# Altium PCB Excavator_PCB.PcbDoc
Units mm, origin at the board's own origin, x right, y up, seen from the top; angles counter-clockwise.
Board outline 71.5 x 81.5 mm, 2 copper layers (Top Layer, Bottom Layer); 29 components, 34 nets, 124 pads, 28 vias.
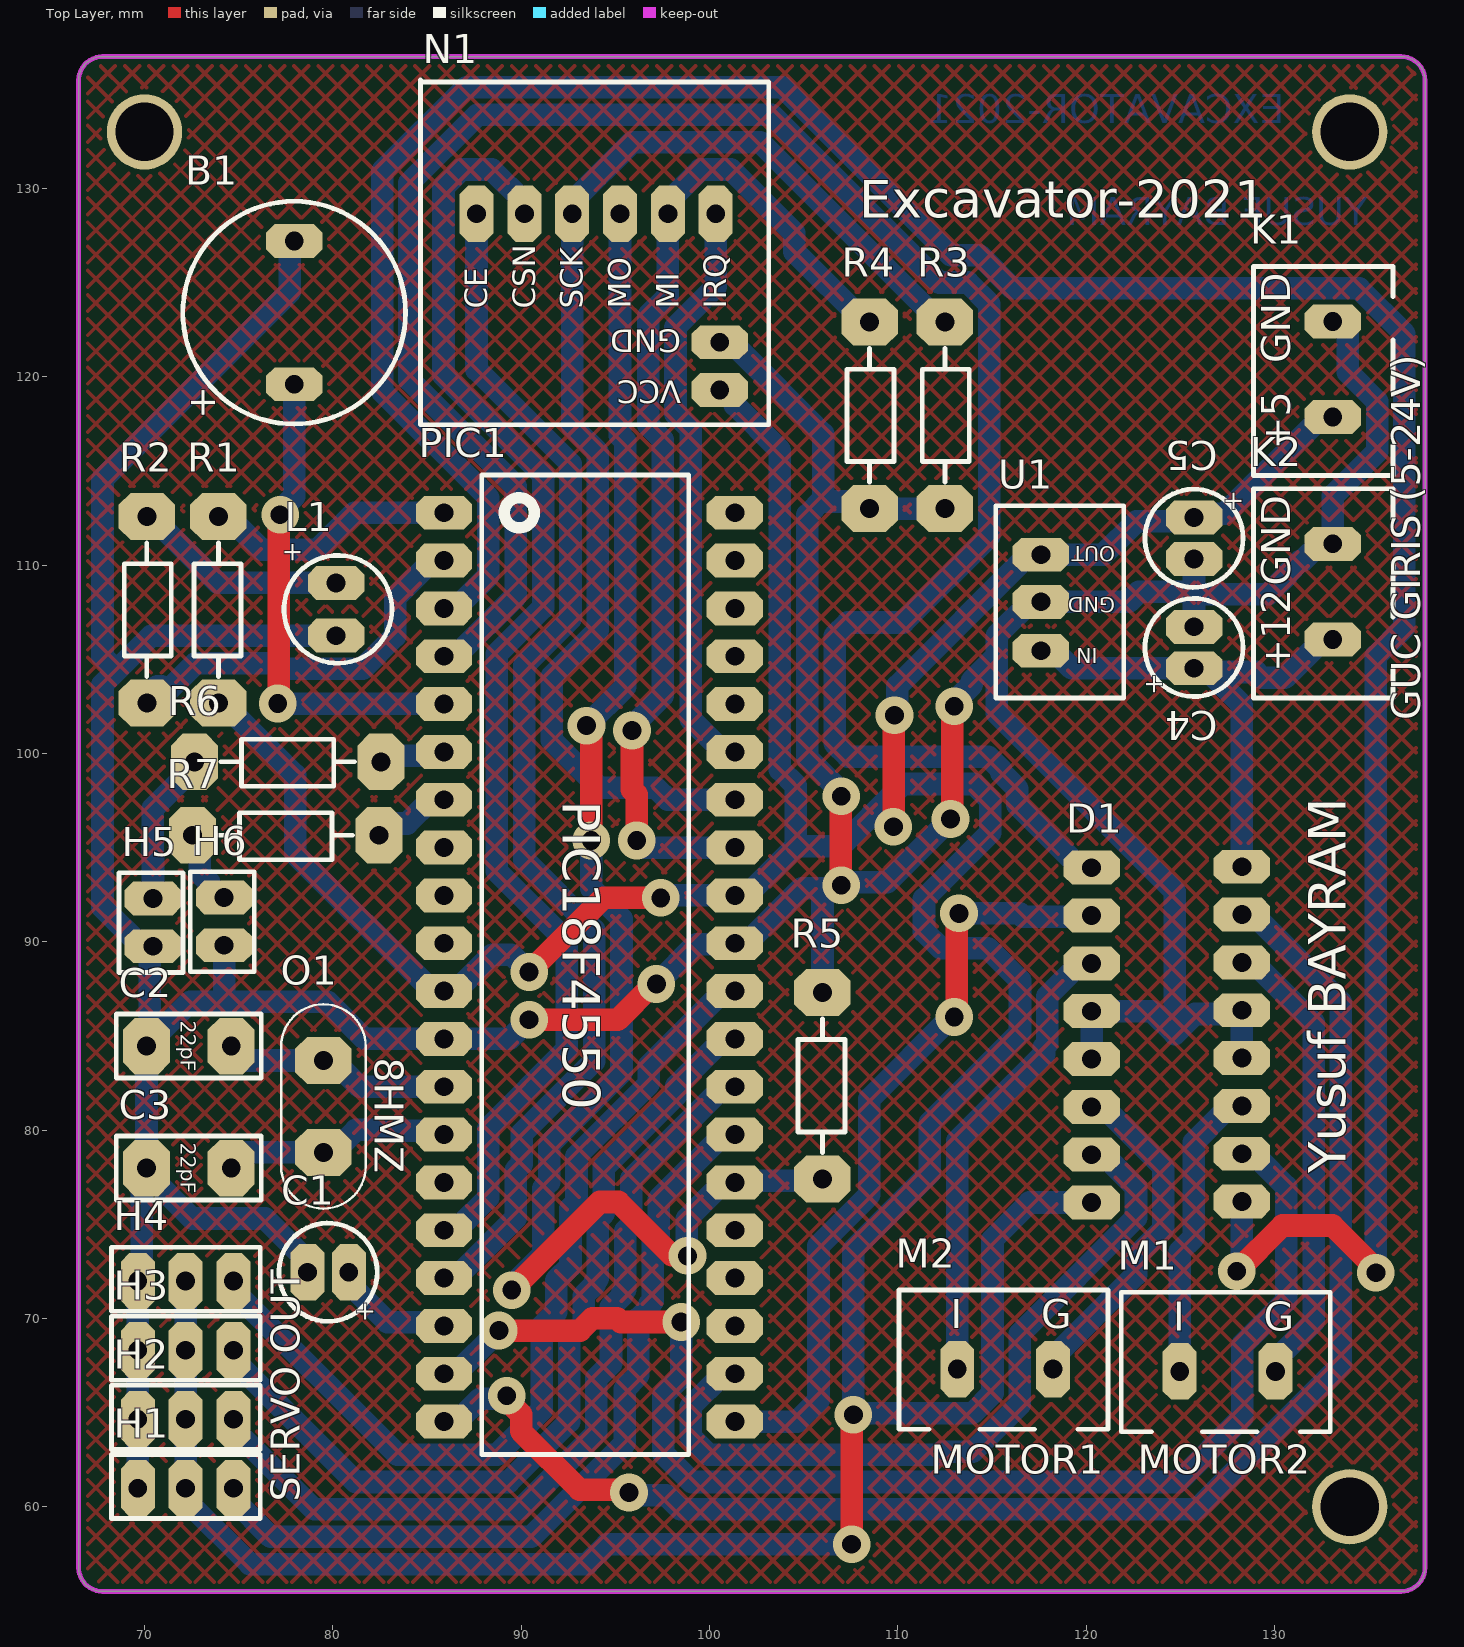
[diagram p0: Top Layer view]
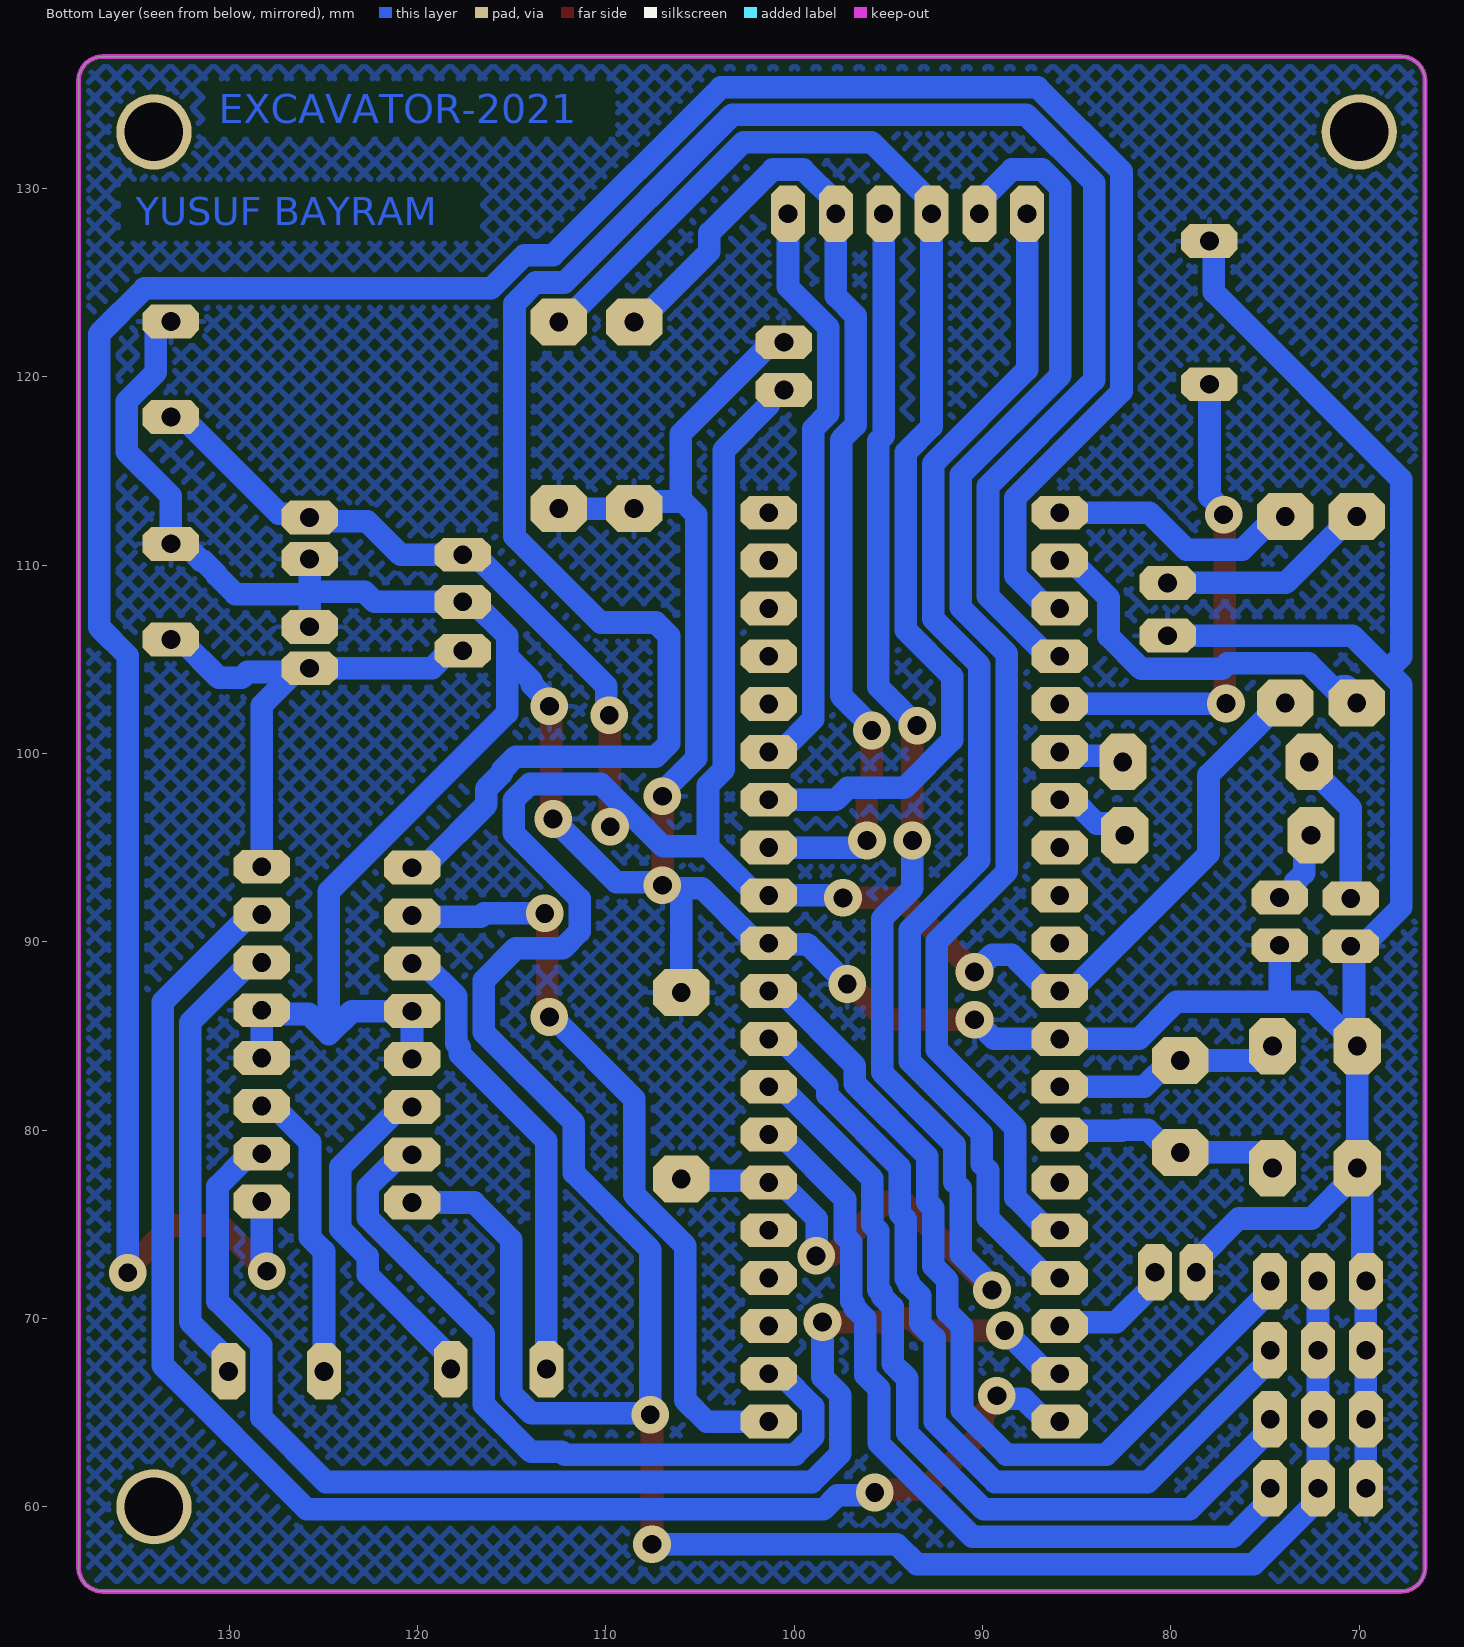
[diagram p1: Bottom Layer view, seen from below]
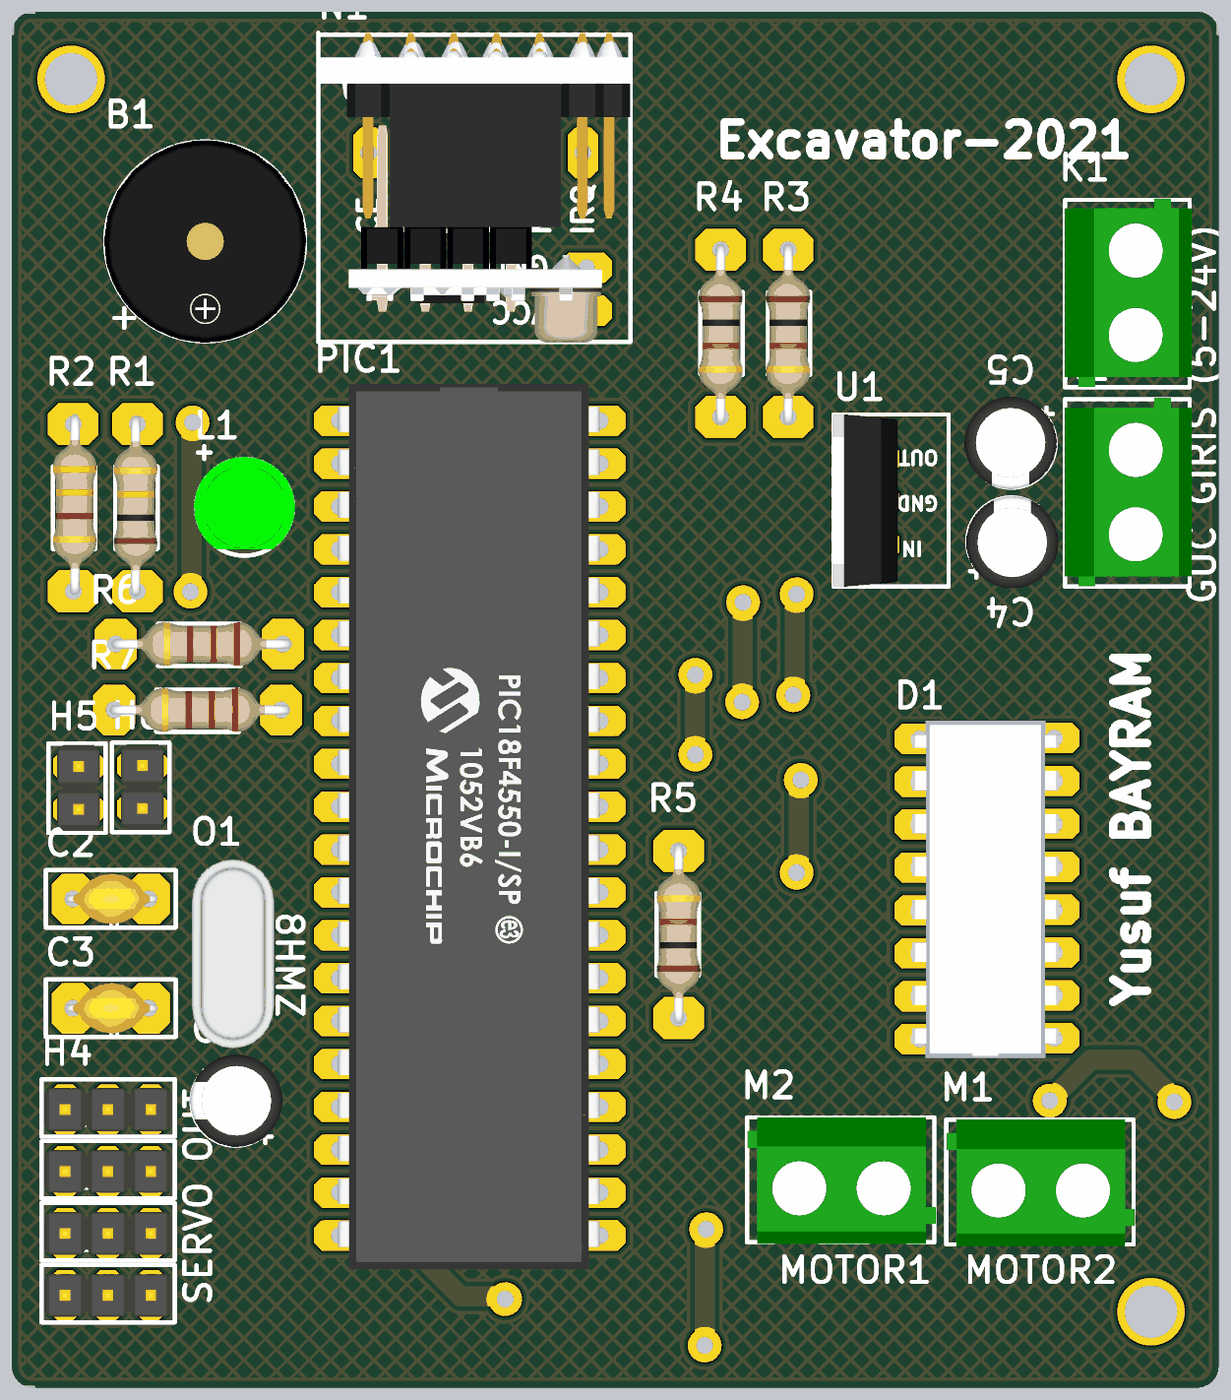
[diagram p2: 3D render of the assembled board from above, using the file's embedded part models]

## Layer stack, top to bottom
Top Solder: solder mask 0.0102, Solder Resist, Dk 3.5
Top Layer: signal copper 0.0356
Dielectric 1: dielectric 0.32, FR-4, Dk 4.8
Bottom Layer: signal copper 0.0356
Bottom Solder: solder mask 0.0102, Solder Resist, Dk 3.5

## Board outline
66.5,56.77 ccw(c67.77,56.77) 67.77,55.5 136.73,55.5 ccw(c136.73,56.77) 138,56.77 138,135.73 ccw(c136.73,135.73) 136.73,137 67.77,137 ccw(c67.77,135.73) 66.5,135.73

## Design rules (kind name [scope] priority, off if disabled: settings)
Clearance [All] p1: gap=0.254 ignorepadtopadclearanceinfootprint=FALSE except(0: Arc-Hole Track-Hole SMDPad-Hole THPad-Hole Via-Hole Fill-Hole Poly-Hole Region-Hole Text-Hole)
Height [All] p1: minheight=0 maxheight=50.8 prefheight=12.7
PlaneConnect [All] p1: planeconnectstyle=Relief reliefexpansion=0.508 reliefentries=4 reliefconductorwidth=0.5 reliefairgap=0.5
PolygonConnect [All] p1: connectstyle=Relief reliefconductorwidth=0.254 reliefentries=4 polygonreliefangle="90 Angle" airgapwidth=0.254
RoutingVias [All] p1: holewidth=0.711 width=1.27 viastyle="Through Hole" minholewidth=0.711 minwidth=1.27 maxholewidth=0.711 maxwidth=1.27
SolderMaskExpansion [All] p1: expansion=0.102 istentingtop=FALSE
Width [All] p1: maxlimit=3 minlimit=0.254 preferedwidth=1
28 further rules are at their usual default settings.

## Components (designator, comment, footprint, x,y, rotation, side; value= is the part's Value field where it differs from the comment)
B1 "BUZZER" buzzer 77.95,123.4 r90 top
C1 "0.47uF" CAP 82.15,75.05 r180 top
C2 "22pF" 22pF 73.504,84.455 r180 top
C3 "22pF" 22pF 73.504,77.978 r180 top
C4 "33uF" CAP 128.33,103.221 r90 top
C5 "22uF" CAP 123.13,113.822 r270 top
D1 "DRIVER" L293D 128.295,76.225 r90 top
H1 "SERVO" HEADER1x3 69.645,60.975 r0 top
H2 "SERVO" HEADER1x3 69.645,64.642 r0 top
H3 "SERVO" HEADER1x3 69.645,68.308 r0 top
H4 "SERVO" HEADER1x3 69.645,71.975 r0 top
H5 "LED" HEADER1x2 70.45,89.76 r90 top
H6 "LED" HEADER1x2 74.225,89.81 r90 top
K1 "2LI" klemens2li 133.096,117.856 r90 top
K2 "2LI" klemens12V 133.096,106.048 r90 top
L1 "LED" LED_GREEN 80.275,101.55 r90 top
M1 "2LI" klemensMOTOR 124.968,67.183 r0 top
M2 "2LI" klemensMOTOR 113.157,67.31 r0 top
N1 "NRF" NRF24L01 102.15,103.251 r90 top
O1 "8MHZ" 8MHZ 79.472,81.3 r270 top
PIC1 "PIC" PIC18F4550 85.904,112.776 r270 top
R1 "10K" 10K_RES 73.425,103.775 r90 top
R2 "330" 330_RES 70.625,111.475 r270 top
R3 "1K" 1K_RES 113,121.8 r270 top
R4 "1K" 1K_RES 109,121.8 r270 top
R5 "1K" 1K_RES 105.5,78.5 r90 top
R6 "220" 220_RES 81.45,99.05 r180 top
R7 "220" 220_RES 81.35,95.15 r180 top
U1 "7805" 7805 119.602,109.148 r90 top

## Footprints (in the part's own frame and the unit in brackets; to place one, negate y for a bottom-side part, rotate by r counter-clockwise, add the part's x,y. Pads: shape width x height; smd on the part's side, far side on the other; paste and mask are expansions set on the pad)
1K_RES [mm]
  oct 2.5x3 hole 1: 1(-1.1,-0.5) 2(8.8,-0.5)
  silkscreen extent 0.3,-1.7 7.4,0.8, body extent -1.45,-1.8 9.26,0.8, height 2.69
8MHZ [mm]
  oct 2.5x3 hole 1: 1(-2.393,0.03) 2(2.487,0.03)
  silkscreen extent -5.38,-2.22 5.47,2.28, body extent -5.5,-2.3 5.7,2.55, height 4
10K_RES [mm]
  oct 2.5x3 hole 1: 1(-1.1,-0.5) 2(8.8,-0.5)
  silkscreen extent 0.3,-1.7 7.4,0.8, body extent -1.4,-1.7 9.31,0.9, height 2.7
22pF [mm]
  oct 2.5x3 hole 1: 1(-1.1,0) 2(3.4,0)
  silkscreen extent -2.7,-1.7 5,1.7, body extent -1.62,-1.5 3.82,1.5, height 4.47
220_RES [mm]
  oct 2.5x3 hole 1: 1(-1.1,-0.5) 2(8.8,-0.5)
  silkscreen extent 0.3,-1.7 7.4,0.8, body extent -1.66,-1.8 9.06,0.8, height 2.7
330_RES [mm]
  oct 2.5x3 hole 1: 1(-1.1,-0.5) 2(8.8,-0.5)
  silkscreen extent 0.3,-1.7 7.4,0.8, body extent -1.71,-1.7 9,0.9, height 2.7
7805 [mm]
  oct 1.8x3 hole 1: 1(-3.7,2) 2(-1.1,2) 3(1.4,2)
  silkscreen extent -6.2,-2.4 4,4.4, body extent -6.21,0.55 4.01,4.5, height 20.55
buzzer [mm]
  oct 1.8x3 hole 1: N(3.8,0) P(-3.8,0)
  silkscreen extent -5.91,-5.91 5.91,5.91, body extent -6,-6 6,6, height 9.5
CAP [mm]
  oct 1.8x3 hole 1: N(3.5,2.6) P(1.3,2.6)
  silkscreen extent -0.21,-0.01 5,5.21, body extent -0.4,-0.2 5.1,5.3, height 12.5
HEADER1x2 [mm]
  oct 1.8x3 hole 1: 0(0,0) 1(2.54,0)
  silkscreen extent -1.4,-1.6 3.9,1.8, body extent -1.27,-1.27 3.81,1.27, height 9.5
HEADER1x3 [mm]
  oct 1.8x3 hole 1: 0(0,0) 1(2.54,0) 2(5.08,0)
  silkscreen extent -1.4,-1.6 6.5,1.8, body extent -1.27,-1.27 6.35,1.27, height 9.5
klemens2li [mm]
  oct 1.8x3 hole 1: N(5.08,0) P(0,0)
  silkscreen extent -3.1,-3.2 8,4.2, body extent -3.08,-3.3 8.08,4.2, height 10
klemens12V [mm]
  oct 1.8x3 hole 1: N(5.08,0) P(0,0)
  silkscreen extent -3.1,-3.2 8,4.2, body extent -3.08,-3.3 8.08,4.2, height 10
klemensMOTOR [mm]
  oct 1.8x3 hole 1: N(5.08,0) P(0,0)
  silkscreen extent -3.1,-3.2 8,4.2, body extent -3.08,-3.3 8.08,4.2, height 10
L293D [mm] "MotorDriver"
  oct 1.8x3 hole 1: 1(-0.025,0.025) 2(2.515,0.025) 3(5.055,0.025) 4(7.595,0.025) 5(10.135,0.025) 6(12.675,0.025) 7(15.215,0.025) 8(17.755,0.025) 9(17.705,8) 10(15.165,8) 11(12.625,8) 12(10.085,8) 13(7.545,8) 14(5.005,8) 15(2.465,8) 16(-0.075,8)
  body extent -1.2,-0.5 18.8,8.7, height 4.6
LED_GREEN [mm]
  oct 1.8x3 hole 1: A(7.5,0.1) C(4.7,0.1)
  silkscreen extent 3.24,-2.87 8.96,2.86, body extent 3.6,-3 9.1,3, height 8.8
NRF24L01 [mm]
  oct 3x1.8 hole 1: 0(25.4,14.52) 1(25.4,11.98) 2(25.4,9.44) 3(25.4,6.9) 4(25.4,4.36) 5(25.4,1.82)
  oct 1.8x3 hole 1: 6(18.58,1.6) 7(16.04,1.6)
  silkscreen extent 14.2,-1 32.5,17.5, body extent 14.15,-1.1 32.5,17.5, height 46.5
PIC18F4550 [mm] "PIC18F4550"
  oct 1.8x3 hole 1: 1(0,0) 2(2.54,0) 3(5.08,0) 4(7.62,0) 5(10.16,0) 6(12.7,0) 7(15.24,0) 8(17.78,0) 9(20.32,0) 10(22.86,0) 11(25.4,0) 12(27.94,0) 13(30.48,0) 14(33.02,0) 15(35.56,0) 16(38.1,0) 17(40.64,0) 18(43.18,0) 19(45.72,0) 20(48.26,0) 21(48.26,15.45) 22(45.72,15.45) 23(43.18,15.45) 24(40.64,15.45) 25(38.1,15.45) 26(35.56,15.45) 27(33.02,15.45) 28(30.48,15.45) 29(27.94,15.45) 30(25.4,15.45) 31(22.86,15.45) 32(20.32,15.45) 33(17.78,15.45) 34(15.24,15.45) 35(12.7,15.45) 36(10.16,15.45) 37(7.62,15.45) 38(5.08,15.45) 39(2.54,15.45) 40(0,15.45)
  silkscreen extent -2,2 50,13, body extent -2.17,-0.07 50.27,15.42, height 5.7

## Part data
D1: library part L293D
H1 H2 H3 H4: library part HEADER1x3
H5 H6: library part HEADER1x2
K1: library part KLEMENS2LI
K2: library part KLEMENS12V
L1: library part LED_GREEN
M1 M2: library part KLEMENSMOTOR
N1: library part NRF24L01
PIC1: library part PIC18f4550
R1: library part 10K_RES
R2: library part 330_RES
R3 R4 R5: library part 1K_RES
R6 R7: library part 220_RES

## Free pads (board coordinates)
  round 4 hole 3.1: ""(70,133) ""(134,60) ""(134,133)

## Via types
v1: diameter 2, hole 1, Top Layer to Bottom Layer, 28 vias

## Nets (pads, with @x,y where several pads share a name; then routed paths per layer and width w, separated by ;. In a path a pad name is that pad's centre, name@x,y a point inside that pad or via, vN(x,y) a via of type N, cw(c..) or ccw(c..) an arc to the next point about the centre after c; other vN are vias at no path point)
+5: C5.P D1.16 H1.1 H2.1 H3.1 H4.1 K1.P N1.7 PIC1.11 PIC1.32 R1.1 U1.3 | length 237.7
  Top Layer w1.2: v1(90.424,88.392) 94.361,92.329 v1(97.409,92.329) ; v1(107.55,58) 107.55,64.793 v1(107.642,64.885) ; v1(109.767,96.108) 109.796,96.137 109.796,101.996 v1(109.825,102.025)
  Bottom Layer w1.2: H4.1 H3.1 H2.1 H1.1 72.185,60.357 75.596,56.946 93.496,56.946 94.55,58 v1(107.55,58) ; R1.1 74.175,102.675 78,98.85 78,94.662 85.286,87.376 PIC1.11 ; PIC1.11@86.763,87.618 88.46,89.315 89.482,89.315 90.405,88.392 v1(90.424,88.392) ; v1(97.409,92.329) 97.428,92.329 97.555,92.456 PIC1.32 101.971,92.456 104.58,95.064 ; N1.7 101.051,119.291 101.351,118.991 101.351,118.49 103.742,116.099 103.742,99.143 104.58,98.306 104.58,95.064 ; v1(107.642,64.885) 107.642,73.653 111.703,77.714 111.703,80.392 116.487,85.176 116.487,87.946 114.784,89.649 112.286,89.649 111.393,90.542 111.393,92.271 114.9,95.778 114.9,97.518 114.045,98.372 110.269,98.372 108.598,96.701 106.961,95.064 104.58,95.064 ; v1@107.642,64.917 107.681,64.956 113.961,64.956 115.029,66.024 115.029,74.184 116.995,76.15 D1.16 ; 108.678,96.621 109.038,96.621 109.551,96.108 v1(109.767,96.108) ; v1(109.825,102.025) 109.978,102.178 109.978,103.582 116.944,110.548 U1.3 120.902,110.548 122.675,112.321 125.529,112.321 C5.P 125.931,112.723 127.363,112.723 132.496,117.856 K1.P
GND: B1.N C1.N C2.2 C3.2 C4.N C5.N D1.4 D1.5 D1.12 D1.13 H1.0 H2.0 H3.0 H4.0 H5.0 H6.0 K1.N K2.N L1.C N1.6 PIC1.12 PIC1.31 R3.2 R4.2 R5.2 U1.2 | length 280.1
  Top Layer w1.2: v1(90.424,85.852) 95.128,85.852 97.033,87.757 v1(97.183,87.757) ; v1(107,93) 106.978,93.022 106.978,97.703 v1(107,97.725) ; v1(112.8,96.518) 112.9,96.618 112.9,102.4 v1(113,102.5)
  Bottom Layer w1.2: H1.0 H2.0 H3.0 H4.0 69.846,72.176 69.846,77.72 C3.2 ; H6.0 74.225,86.984 74.05,86.809 ; B1.N 77.712,126.962 77.712,124.5 67.771,114.559 67.771,105.129 68.509,104.391 ; C1.N 78.65,73.05 76.398,75.302 72.53,75.302 70.104,77.728 C3.2 ; L1.C 70.367,106.25 68.509,104.391 ; v1(90.424,85.852) 90.405,85.852 89.389,84.836 PIC1.12 81.692,84.836 79.719,86.809 74.05,86.809 ; v1(97.183,87.757) 99.3,89.874 101.312,89.874 101.595,90.158 102.213,90.158 104.902,92.847 105.875,92.847 ; N1.6 100.792,121.589 101.41,121.589 106.034,116.965 106.034,113.5 ; R5.2 106,92.722 105.875,92.847 ; v1(107,97.725) 107,97.941 105.196,99.745 105.196,112.662 106.034,113.5 ; R3.2 R4.2 108.124,113.376 106.157,113.376 106.034,113.5 ; v1(112.8,96.518) 109.435,93.153 107.153,93.153 106.847,92.847 105.875,92.847 ; v1(113,102.5) 113,102.716 113.927,103.644 113.927,103.835 115.248,105.156 ; D1.13 D1.12 123.494,86.31 124.714,85.09 ; C4.N 125.73,108.521 ; C5.N 125.73,108.521 ; D1.4 D1.5 128.069,86.159 125.783,86.159 124.714,85.09 ; K1.N 133.597,122.936 133.897,122.636 133.897,120.236 135.45,118.683 135.45,116.019 133.096,113.665 K2.N 132.397,111.128 131.505,110.236 131.386,110.236 130.683,109.533 130.683,109.474 129.667,108.458 125.793,108.458 125.73,108.521 ; 68.509,104.391 67.771,103.654 67.771,91.821 69.832,89.76 H5.0 70.277,89.587 C2.2@70.277,84.665 ; C3.2 C2.2 70.277,84.628 C2.2@70.277,84.665 ; C2.2@70.277,84.665 72.421,86.809 74.05,86.809 ; 115.248,105.156 115.248,102.135 124.714,92.669 124.714,85.09 ; 115.248,105.156 115.248,106.252 117.044,108.048 U1.2 122.272,108.048 122.809,108.585 125.666,108.585 125.73,108.521
NetB1_P: B1.P PIC1.5 | length 26.2
  Top Layer w1.2: v1(77.075,102.65) 77.138,102.713 77.138,112.613 v1(77.2,112.675)
  Bottom Layer w1.2: v1(77.075,102.65) 77.092,102.633 85.887,102.633 PIC1.5 ; v1(77.2,112.675) 77.2,112.891 77.95,113.641 B1.P
NetC1_P: C1.P PIC1.18 | length 6.6
  Bottom Layer w1.2: C1.P 80.85,71.85 82.903,69.797 85.702,69.797 PIC1.18
NetC2_1: C2.1 O1.1 PIC1.13 | length 12.2
  Bottom Layer w1.2: C2.1 74.628,84.455 75.39,83.693 O1.1 80.026,83.693 81.423,82.296 PIC1.13
NetC3_1: C3.1 O1.2 PIC1.14 | length 12.2
  Bottom Layer w1.2: C3.1 74.628,77.978 75.463,78.813 O1.2 80.026,78.813 81.223,80.01 82.551,80.01 82.604,79.957 85.702,79.957 PIC1.14
NetC4_P: C4.P D1.8 K2.P U1.1 | length 28
  Bottom Layer w1.2: U1.1 118.301,105.448 119.228,104.521 C4.P 126.314,104.521 C4.P@126.516,104.32 ; D1.8 128.27,102.565 C4.P@126.516,104.32 ; K2.P 132.591,106.048 130.556,104.013 129.337,104.013 129.03,104.32 C4.P@126.516,104.32
NetD1_1: D1.1 PIC1.3 | length 152.3
  Top Layer w1.2: v1(128,72.5) 130.43,74.93 133.083,74.93 135.386,72.627 v1(135.386,72.425)
  Bottom Layer w1.2: PIC1.3 86.521,107.696 88.258,109.432 88.258,113.58 82.62,119.217 82.62,130.911 87.076,135.367 103.896,135.367 112.805,126.458 114.331,126.458 116.099,124.69 134.5,124.69 136.904,122.286 136.904,106.698 135.386,105.18 v1(135.386,72.425) ; v1(128,72.5) 128,72.716 128.27,72.986 D1.1
NetD1_2: D1.2 PIC1.19 | length 70.4
  Top Layer w1.2: v1(88.817,69.352) 93.124,69.352 93.772,70 95.095,70 95.29,69.805 v1(98.495,69.805)
  Bottom Layer w1.2: PIC1.19 86.521,67.056 v1(88.817,69.352) ; v1(98.495,69.805) 98.495,66.872 97.546,65.922 97.546,62.819 99.057,61.308 124.876,61.308 128.294,64.726 128.294,68.587 130.624,70.917 130.624,77.004 129.13,78.498 128.512,78.498 D1.2
NetD1_3: D1.3 M1.P | length 15.8
  Bottom Layer w1.2: M1.P 124.968,73.553 125.713,74.298 125.713,79.341 127.41,81.038 128.028,81.038 D1.3
NetD1_6: D1.6 M1.N | length 24.5
  Bottom Layer w1.2: D1.6 128.888,88.9 132.078,85.71 132.078,69.813 130.048,67.783 M1.N
NetD1_7: D1.7 PIC1.20 | length 81
  Top Layer w1.2: v1(89.236,65.886) 89.236,65.67 90,64.906 90,64 93.097,60.903 95.572,60.903 v1(95.725,60.75)
  Bottom Layer w1.2: PIC1.20 86.602,64.516 87.819,65.733 89.083,65.733 v1(89.236,65.886) ; v1(95.725,60.75) 95.878,60.597 97.712,60.597 98.455,59.854 125.877,59.854 133.532,67.509 133.532,86.796 128.888,91.44 D1.7
NetD1_9: D1.9 PIC1.4 | length 111.3
  Bottom Layer w1.2: PIC1.4 86.521,105.156 89.712,108.346 89.712,114.182 84.074,119.82 84.074,130.309 87.678,133.913 103.293,133.913 112.202,125.004 113.729,125.004 114.854,123.879 114.854,111.521 110.282,106.949 107.353,106.949 106.65,106.247 106.65,100.529 107.353,99.826 114.797,99.826 115.5,99.124 115.5,98.974 116.354,98.12 116.354,97.271 119.444,94.181 120.044,94.181 D1.9
NetD1_10: D1.10 PIC1.21 | length 41.1
  Top Layer w1.2: v1(113,86) 113.123,86.123 113.123,91.38 v1(113.247,91.503)
  Bottom Layer w1.2: PIC1.21 104.654,64.516 105.788,65.65 105.788,73.855 108.495,76.562 108.495,81.657 112.838,86 v1(113,86) ; v1(113.247,91.503) 116.47,91.503 116.647,91.326 120.231,91.326 D1.10
NetD1_11: D1.11 M2.P | length 24.9
  Bottom Layer w1.2: M2.P 113.157,79.423 117.762,84.028 117.762,84.395 117.941,84.574 117.941,87.114 119.677,88.85 D1.11
NetD1_14: D1.14 M2.N | length 18.3
  Bottom Layer w1.2: M2.N 118.237,67.91 122.649,72.322 122.649,73.29 124.103,74.744 124.103,78.04 121.155,80.988 120.537,80.988 D1.14
NetD1_15: D1.15 PIC1.22 | length 40.8
  Bottom Layer w1.2: PIC1.22 100.736,67.056 99,65.32 99,63.712 99.95,62.762 112.193,62.762 112.342,62.911 113.972,62.911 116.483,65.422 116.483,69.18 122.649,75.346 122.649,76.954 121.155,78.448 120.537,78.448 D1.15
NetH1_2: H1.2 PIC1.27 | length 43.4
  Bottom Layer w1.2: H1.2 74.725,60.375 76.7,58.4 90.541,58.4 95.5,63.359 95.5,66.264 96.225,66.989 96.225,70 96.816,70.591 96.816,70.748 96.982,70.914 96.982,74.045 97.304,74.367 97.304,76.324 100.736,79.756 PIC1.27
NetH2_2: H2.2 PIC1.28 | length 45
  Bottom Layer w1.2: H2.2 74.725,64.133 79.004,59.854 89.938,59.854 93.998,63.914 93.998,66.819 94.771,67.591 94.771,70.602 95.362,71.193 95.362,71.35 95.528,71.516 95.528,74.647 95.85,74.969 95.85,77.41 100.736,82.296 PIC1.28
NetH3_2: H3.2 PIC1.29 | length 46.7
  Bottom Layer w1.2: H3.2 74.725,67.799 81.216,61.308 89.336,61.308 92.544,64.516 92.544,68.958 93.317,69.73 93.317,71.204 93.908,71.795 93.908,71.952 94.074,72.118 94.074,75.249 94.396,75.571 94.396,78.012 98.237,81.853 98.237,82.337 100.736,84.836 PIC1.29
NetH4_2: H4.2 PIC1.30 | length 48.3
  Bottom Layer w1.2: H4.2 74.725,71.466 83.429,62.762 88.734,62.762 91.09,65.118 91.09,69.56 91.863,70.332 91.863,72.023 92.62,72.78 92.62,75.851 92.942,76.174 92.942,78.615 96.783,82.456 96.783,83.423 100.736,87.376 PIC1.30
NetH5_1: H5.1 R6.2 | length 8.2
  Bottom Layer w1.2: H5.1 70.45,94.417 70.446,94.421 70.446,97.083 72.65,99.287 R6.2
NetH6_1: H6.1 R7.2 | length 4.3
  Bottom Layer w1.2: R7.2 72.926,95.274 72.926,93.649 73.424,93.151 73.424,92.65 73.724,92.35 H6.1
NetL1_A: L1.A R2.1 | length 11.5
  Bottom Layer w1.2: R2.1 70.375,112.575 73.9,109.05 L1.A
NetN1_0: N1.0 PIC1.17 | length 64.8
  Bottom Layer w1.2: PIC1.17 86.521,72.136 89.712,75.326 89.712,77.866 90.034,78.189 90.034,79.819 93.875,83.66 93.875,90.627 90.164,94.338 90.164,104.686 92.62,107.142 92.62,115.387 87.63,120.376 N1.0
NetN1_1: N1.1 PIC1.16 | length 69.2
  Bottom Layer w1.2: PIC1.16 86.145,74.918 86.763,74.918 88.258,76.412 88.258,80.099 92.421,84.262 92.421,90.025 88.71,93.736 88.71,105.288 91.166,107.744 91.166,114.784 85.876,120.074 85.876,130.055 86.826,131.005 88.434,131.005 90.17,129.269 N1.1
NetN1_2: N1.2 PIC1.34 R3.1 | length 66.3
  Bottom Layer w1.2: PIC1.34 97.79,97.536 97.155,98.171 94.152,98.171 91.618,100.705 91.618,104.084 94.074,106.539 94.074,115.989 92.71,117.352 N1.2 92.71,129.269 95.9,132.459 102.691,132.459 112.25,122.9 R3.1
NetN1_3: N1.3 PIC1.26 R5.1 | length 83.2
  Top Layer w1.2: v1(89.5,71.5) 94.176,76.176 95.17,76.176 97.989,73.356 98.798,73.356 v1(98.836,73.318) ; v1(93.472,101.473) 93.472,101.454 93.726,101.2 v1(93.726,95.377)
  Bottom Layer w1.2: v1(89.5,71.5) 89.5,71.716 91.166,73.382 91.166,76.915 91.488,77.237 91.488,79.217 95.329,83.058 95.329,91.229 93.726,92.832 v1(93.726,95.377) ; v1(93.472,101.473) 95.528,103.529 95.528,116.591 95.25,116.869 N1.3 ; v1(98.836,73.318) 98.797,73.357 98.797,75.277 100.494,76.974 PIC1.26@100.494,77.311 ; PIC1.26 101.446,77.308 105.908,77.308 R5.1
NetN1_4: N1.4 PIC1.33 R4.1 | length 56.2
  Top Layer w1.2: v1(95.885,101.219) 95.885,98.073 96.139,97.819 v1(96.139,95.377)
  Bottom Layer w1.2: v1(95.885,101.219) 95.885,101.435 97.511,103.061 97.511,116.664 96.742,117.433 96.742,123.237 97.79,124.285 N1.4 97.79,129.269 99.526,131.005 101.134,131.005 104.504,127.635 104.504,126.646 108.25,122.9 R4.1 ; v1(96.139,95.377) 96.158,95.377 96.539,94.996 PIC1.33
NetN1_5: N1.5 PIC1.35 | length 31.1
  Bottom Layer w1.2: N1.5 100.33,124.769 98.196,122.635 98.196,118.035 99,117.232 99,101.812 100.736,100.076 PIC1.35
NetPIC1_1: PIC1.1 R1.2 | length 13.5
  Bottom Layer w1.2: R1.2 74.449,112.575 76.203,110.821 79.18,110.821 81.147,112.788 85.892,112.788 PIC1.1
NetPIC1_2: PIC1.2 R2.2 | length 20.6
  Bottom Layer w1.2: R2.2 70.588,102.675 72.692,104.779 76.996,104.779 77.279,104.496 81.579,104.496 83.311,106.229 83.311,108.262 85.286,110.236 PIC1.2 ; R2.2@70.675,103.55 R2.2@70.925,103.55
NetPIC1_6: PIC1.6 R6.1 | length 3.6
  Bottom Layer w1.2: R6.1 82.875,99.875 85.702,99.875 PIC1.6
NetPIC1_7: PIC1.7 R7.1 | length 4.2
  Bottom Layer w1.2: R7.1 83.076,96.276 83.946,96.276 85.205,97.536 PIC1.7
pads on no net: PIC1.8 PIC1.9 PIC1.10 PIC1.15 PIC1.23 PIC1.24 PIC1.25 PIC1.36 PIC1.37 PIC1.38 PIC1.39 PIC1.40

## Polygon pours and split planes (outlines as drawn)
GND on Bottom Layer "GND_L02_P000" (hatched 45Degree grid 0.808 track 0.303, pour order 0): 66.5,137 66.5,55.5 138,55.5 138,137
no net on Top Layer "NONET_L01_P001" (hatched 45Degree grid 0.908 track 0.203, pour order 1): 66.5,136.5 138,136.5 138,56 66.5,56

## Keep-outs
Keep-Out Layer:
  lines w0.254: 66.5,56.77 ccw(c67.77,56.77) 67.77,55.5 76.5,55.5 136.73,55.5 ccw(c136.73,56.77) 138,56.77 138,135.73 ccw(c136.73,135.73) 136.73,137 67.77,137 ccw(c67.77,135.73) 66.5,135.73 66.5,56.77

## Other copper
Bottom Layer:
  text "EXCAVATOR-2021" at 130.546,133.454 h1.52
  text "YUSUF BAYRAM" at 134.96,128.04 h1.5

## Silkscreen, mask and mechanical layers (free items; w line width, h text height)
Top Overlay:
  text "Excavator-2021" at 107.954,128.454 h2
  text "GUC GIRIS (5-24V)" at 137.746,101.754 h1.52 r90
  text "Yusuf BAYRAM" at 133.8,77.7 h2 r90
  text "MOTOR1" at 111.754,61.754 h1.52
  text "MOTOR2" at 122.754,61.754 h1.52
  text "SERVO OUT" at 78.246,60.254 h1.52 r90

## Dimensions
66.5,135.73 to 138,135.73 on Top Paste
67.77,137 to 67.77,55.5 on Top Paste

## Text inside footprints (layer, text, board x,y; h text height)
B1: Top Overlay "+" at 73.75,117.754 h1.52 r90
C1: Top Overlay "+" at 82.296,70.763 h1 r180
C4: Top Overlay "+" at 124.043,103.075 h1 r90
C5: Top Overlay "+" at 127.417,113.968 h1 r270
K1: Top Overlay "+5" at 130.842,116.11 h1.52 r90; Top Overlay "GND" at 130.842,120.71 h1.52 r90
K2: Top Overlay "GND" at 130.842,108.902 h1.52 r90; Top Overlay "+12" at 130.842,104.302 h1.52 r90
L1: Top Overlay "+" at 78.288,110.104 h1 r90
M1: Top Overlay "G" at 129.422,69.337 h1.52; Top Overlay "I" at 124.622,69.337 h1.52
M2: Top Overlay "G" at 117.611,69.464 h1.52; Top Overlay "I" at 112.811,69.464 h1.52
N1: Top Overlay "GND" at 98.496,122.497 h1.2 r180; Top Overlay "VCC" at 98.496,119.797 h1.2 r180; Top Overlay "IRQ" at 100.896,123.605 h1.2 r90; Top Overlay "MI" at 98.356,123.605 h1.2 r90; Top Overlay "MO" at 95.816,123.605 h1.2 r90; Top Overlay "SCK" at 93.276,123.605 h1.2 r90; Top Overlay "CSN" at 90.736,123.605 h1.2 r90; Top Overlay "CE" at 88.196,123.605 h1.2 r90
O1: Top Overlay "8HMZ" at 82.226,83.846 h1.52 r270
PIC1: Top Overlay "PIC18F4550" at 92.204,97.476 h2 r270
U1: Top Overlay "IN" at 120.615,105.594 h0.8 r180; Top Overlay "GND" at 121.548,108.294 h0.8 r180; Top Overlay "OUT" at 121.548,110.994 h0.8 r180